# Altium PCB Control_v1.1.PcbDoc (part 1 of 2) (continued)
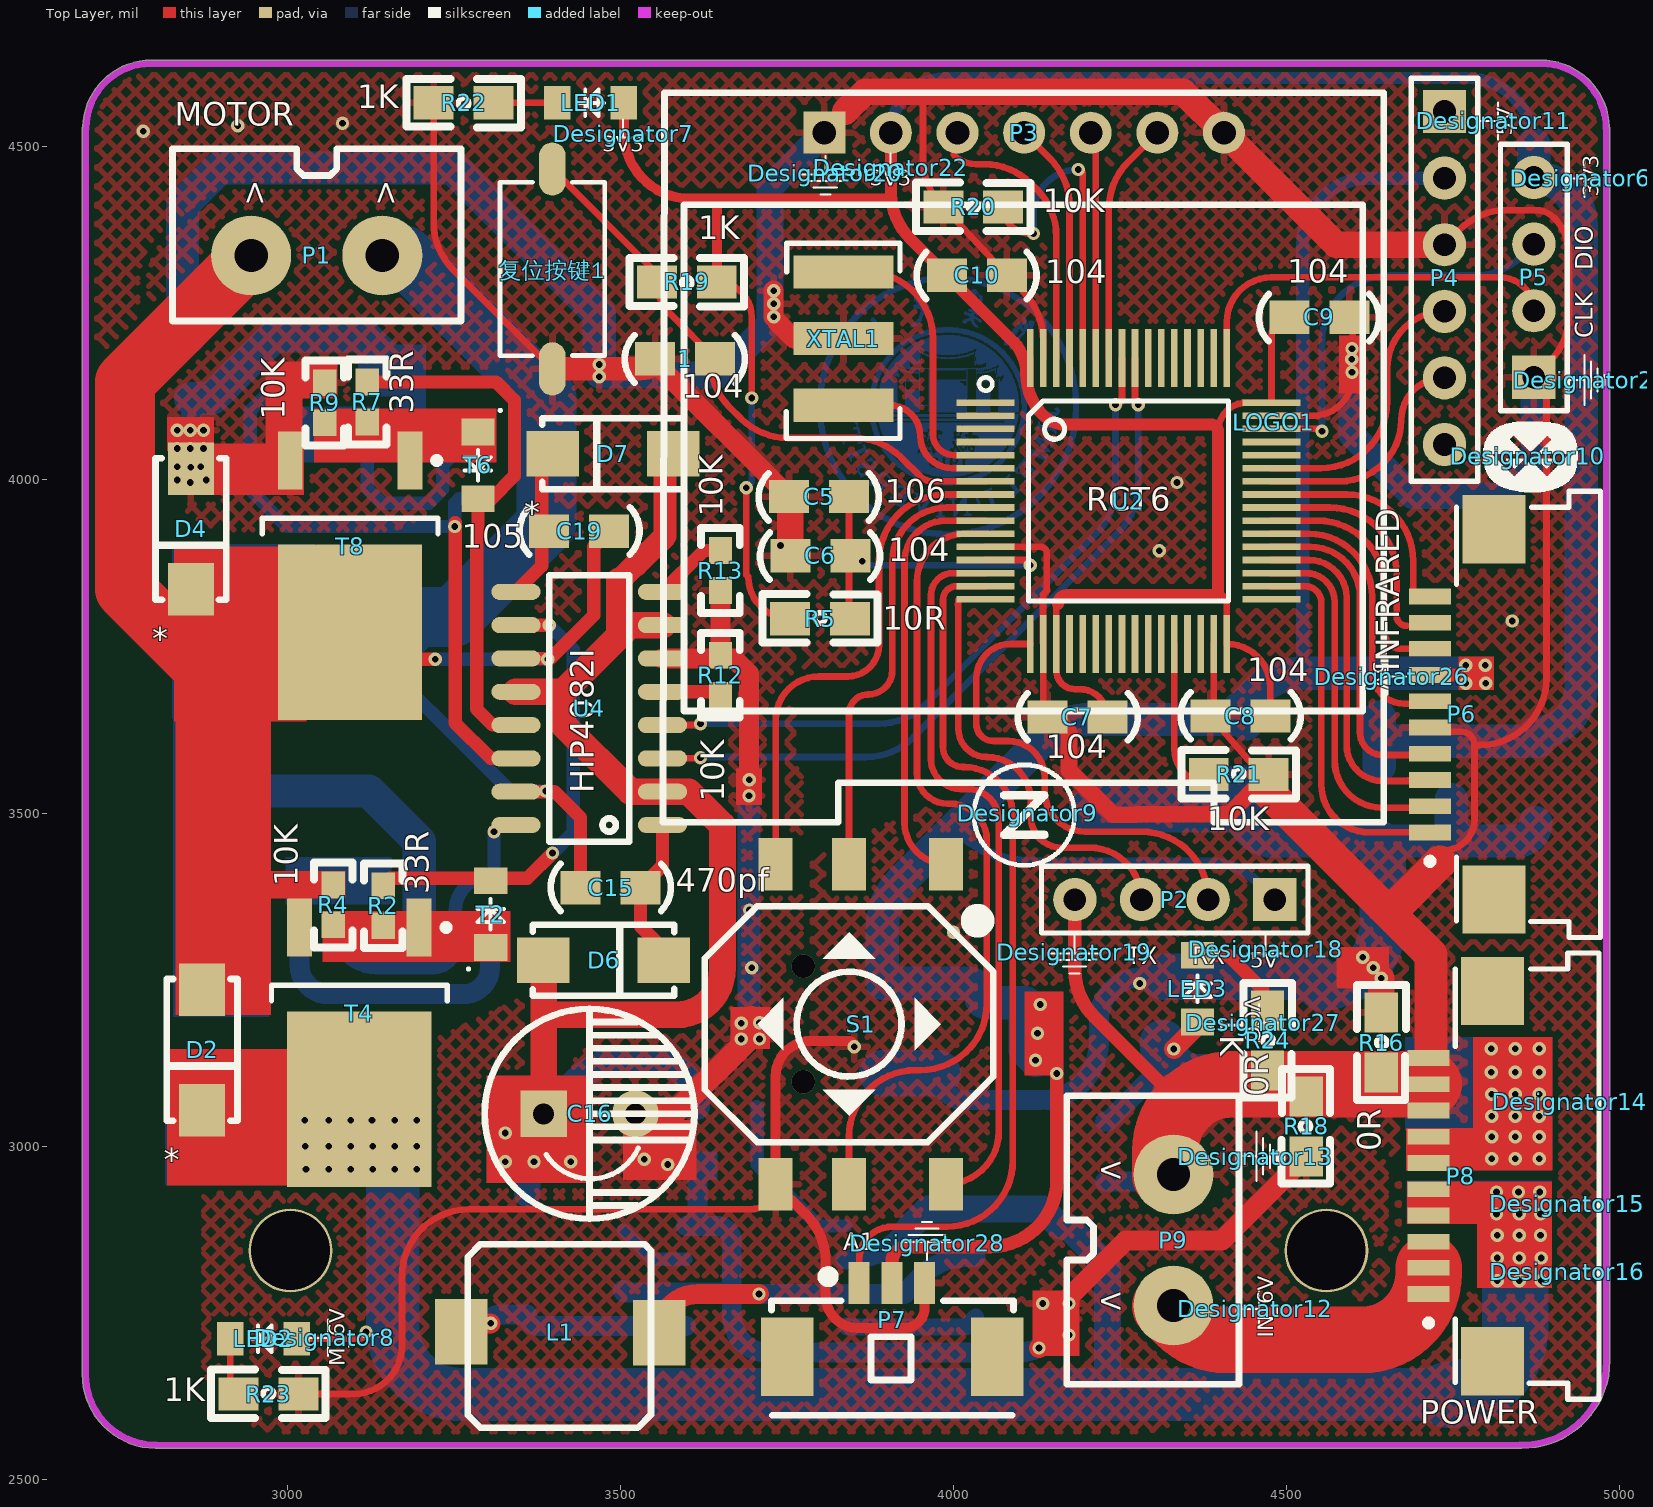
[diagram p0: Top Layer view]
## Footprints (in the part's own frame and the unit in brackets; to place one, negate y for a bottom-side part, rotate by r counter-clockwise, add the part's x,y. Pads: shape width x height; smd on the part's side, far side on the other; paste and mask are expansions set on the pad)
5轴按键 [mm]
  rect 2x1.3 smd: 1(-6.128,3.778) 2(-6.128,0.078) 3(-6.128,-2.722) 4(6.072,3.778) 5(6.072,0.078) 6(6.072,-2.722)
  silkscreen extent -4.53,-5.42 4.47,5.58
0603R [mil]
  rect 40x35 smd: 1(-2,-1) 2(58,-1)
  silkscreen extent -35,-30 92,28, body extent -5,-17 61,15, height 22
0805C [mil]
  rect 60x50 smd: 1(-5,0) 2(85,0)
  silkscreen extent -50,-35 131,36, body extent -16,-26 102,29, height 37
0805LED(BLUE) [mil]
  rect 40x50 smd: 1(-4.95,-2) 2(95.05,-2)
  silkscreen extent -39,-22 68,33, body extent 11,-20 78,16, height 35
0805R [mil]
  rect 60x50 smd: 1(-4.51,1.2) 2(85.49,1.2)
  silkscreen extent -46,-36 126,37, body extent -1,-23 78,26, height 18
12864-0.96寸 [mm]
  rect 1.6x1.6 hole 0.9: 1(4.061,0.59)
  round 1.6 hole 0.9: 2(6.601,0.59) 3(9.141,0.59) 4(11.681,0.59) 5(14.221,0.59) 6(16.761,0.59) 7(19.301,0.59)
  silkscreen extent -2.09,-25.7 25.39,2.11, body extent -2.03,-25.56 24.98,2.37, height 2.67
FPC-10 [mm]
  rect 2.6x2.4 smd: 0(-7.061,-0.813) 0(7.061,-0.813)
  rect 0.6x1.6 smd: 1(-4.5,1.625) 2(-3.5,1.625) 3(-2.5,1.625) 4(-1.5,1.625) 5(-0.5,1.625) 6(0.5,1.625) 7(1.5,1.625) 8(2.5,1.625) 9(3.5,1.625) 10(4.5,1.625)
  silkscreen extent -8.51,-4.88 8.51,1.75, body extent -8.5,-4.89 8.5,1.91, height 2.8
"Header 4" [mil]
  rect 65x65 hole 34: 1(0.95,-0.93)
  round 65 hole 34: 2(0.95,-100.93) 3(0.95,-200.93) 4(0.95,-300.93)
  silkscreen extent -49,-351 51,49, body extent -51,-354 49,46, height 336
"Header 6" [mil]
  rect 65x65 hole 34: 1(0.95,-0.93)
  round 65 hole 34: 2(0.95,-100.93) 3(0.95,-200.93) 4(0.95,-300.93) 5(0.95,-400.73) 6(0.95,-500.73)
  silkscreen extent -49,-556 51,49, body extent -48,-555 52,45, height 336
HIP4082I [mil]
  oval 74x24 smd: 1(-110,160) 2(-110,110) 3(-110,60) 4(-110,10) 5(-110,-40) 6(-110,-90) 7(-110,-140) 8(-110,-190) 9(110,-190) 10(110,-140) 11(110,-90) 12(110,-40) 13(110,10) 14(110,60) 15(110,110) 16(110,160)
  silkscreen extent -60,-215 60,185, body extent -115,-207 113,179, height 69
IRLR7843(MOS) [mm]
  rect 2.2x0.95 smd: 1(-5.543,1.772) 3(-5.543,-2.788)
  rect 6.7x5.5 smd: 2(1.007,-0.508)
  silkscreen extent -5.67,-3.86 -2.74,2.92, body extent -6.04,-3.78 3.9,2.76, height 2.39
LED(0805) [mil]
  rect 40x50 smd: 1(-50,0) 2(50,0)
  silkscreen extent -20,-20 20,20, body extent -37,-24 43,25, height 43
LOGO_Buletooth [mil]
  silkscreen extent -52,-66 54,75
LOGO_GND [mil]
  silkscreen extent -37,-32 38,26
LOGO_JMU [mil]
  round 400 on Bottom Solder: 0(-0.1,0.2)
  Top Layer region: 917 vertices and 1 holes, not listed, extent -195.89,-196.01 197.11,196.99
  Top Layer region: 557 vertices and 1 holes, not listed, extent -117.89,-118.01 119.11,118.99
  Top Layer region: 309 vertices and 19 holes, not listed, extent -105.89,-9.01 107.11,106.99
  Top Layer region: 261 vertices and 22 holes, not listed, extent -104.89,-106.01 106.11,-12.01
  Top Layer region: 251 vertices and 0 holes, not listed, extent 85.11,86.99 138.11,125.99
  Top Layer region: 219 vertices and 1 holes, not listed, extent -128.89,84.99 -81.89,133.99
  Top Layer region: 241 vertices and 4 holes, not listed, extent -50.89,118.99 -23.89,175.99
  Top Layer region: 155 vertices and 0 holes, not listed, extent 20.11,118.99 57.11,168.99
  Top Layer region: 195 vertices and 0 holes, not listed, extent -158.89,-84.01 -117.89,-41.01
  Top Layer region: 139 vertices and 1 holes, not listed, extent 81.11,-133.01 121.11,-99.01
  Top Layer region: -27.89,-135.01 -22.89,-135.01 -22.89,-136.01 -21.89,-136.01 -21.89,-138.01 -20.89,-138.01 -20.89,-140.01 -19.89,-140.01 -19.89,-141.01 -18.89,-141.01 -18.89,-143.01 -17.89,-143.01 -17.89,-144.01 -16.89,-144.01 -16.89,-146.01 -15.89,-146.01 -15.89,-148.01 -14.89,-148.01 -14.89,-149.01 -13.89,-149.01 -13.89,-151.01 -12.89,-151.01 -12.89,-153.01 -11.89,-153.01 -11.89,-154.01 -10.89,-154.01 -10.89,-156.01 -9.89,-156.01 -9.89,-148.01 -8.89,-148.01 -8.89,-139.01 -11.89,-139.01 -11.89,-137.01 -4.89,-137.01 -4.89,-138.01 -0.89,-138.01 -0.89,-139.01 -1.89,-139.01 -1.89,-140.01 -4.89,-140.01 -4.89,-142.01 -5.89,-142.01 -5.89,-148.01 -6.89,-148.01 -6.89,-156.01 -7.89,-156.01 -7.89,-164.01 -8.89,-164.01 -8.89,-166.01 -10.89,-166.01 -10.89,-164.01 -11.89,-164.01 -11.89,-163.01 -12.89,-163.01 -12.89,-161.01 -13.89,-161.01 -13.89,-160.01 -14.89,-160.01 -14.89,-158.01 -15.89,-158.01 -15.89,-156.01 -16.89,-156.01 -16.89,-155.01 -17.89,-155.01 -17.89,-153.01 -18.89,-153.01 -18.89,-152.01 -19.89,-152.01 -19.89,-150.01 -20.89,-150.01 -20.89,-148.01 -21.89,-148.01 -21.89,-146.01 -22.89,-146.01 -22.89,-145.01 -23.89,-145.01 -23.89,-143.01 -24.89,-143.01 -24.89,-147.01 -25.89,-147.01 -25.89,-155.01 -26.89,-155.01 -26.89,-162.01 -23.89,-162.01 -23.89,-164.01 -31.89,-164.01 -31.89,-163.01 -34.89,-163.01 -34.89,-162.01 -33.89,-162.01 -33.89,-161.01 -30.89,-161.01 -30.89,-160.01 -29.89,-160.01 -29.89,-155.01 -28.89,-155.01 -28.89,-147.01 -27.89,-147.01 -27.89,-140.01 -26.89,-140.01 -26.89,-139.01 -27.89,-139.01 -27.89,-137.01 -29.89,-137.01 -29.89,-136.01 -30.89,-136.01 -30.89,-134.01 -27.89,-134.01
  Top Layer region: 177 vertices and 0 holes, not listed, extent 53.11,-153.01 88.11,-117.01
  Top Layer region: 215 vertices and 0 holes, not listed, extent -135.89,-115.01 -98.89,-78.01
  Top Layer region: -63.89,-123.01 -61.89,-123.01 -61.89,-124.01 -58.89,-124.01 -58.89,-125.01 -56.89,-125.01 -56.89,-126.01 -53.89,-126.01 -53.89,-127.01 -52.89,-127.01 -52.89,-129.01 -54.89,-129.01 -54.89,-128.01 -56.89,-128.01 -56.89,-129.01 -57.89,-129.01 -57.89,-131.01 -58.89,-131.01 -58.89,-134.01 -59.89,-134.01 -59.89,-137.01 -60.89,-137.01 -60.89,-139.01 -61.89,-139.01 -61.89,-142.01 -62.89,-142.01 -62.89,-145.01 -63.89,-145.01 -63.89,-150.01 -62.89,-150.01 -62.89,-151.01 -61.89,-151.01 -61.89,-152.01 -60.89,-152.01 -60.89,-153.01 -58.89,-153.01 -58.89,-154.01 -52.89,-154.01 -52.89,-153.01 -51.89,-153.01 -51.89,-152.01 -50.89,-152.01 -50.89,-151.01 -49.89,-151.01 -49.89,-150.01 -48.89,-150.01 -48.89,-148.01 -47.89,-148.01 -47.89,-145.01 -46.89,-145.01 -46.89,-142.01 -45.89,-142.01 -45.89,-140.01 -44.89,-140.01 -44.89,-137.01 -43.89,-137.01 -43.89,-133.01 -44.89,-133.01 -44.89,-132.01 -45.89,-132.01 -45.89,-130.01 -43.89,-130.01 -43.89,-131.01 -40.89,-131.01 -40.89,-132.01 -38.89,-132.01 -38.89,-133.01 -35.89,-133.01 -35.89,-135.01 -39.89,-135.01 -39.89,-136.01 -40.89,-136.01 -40.89,-138.01 -41.89,-138.01 -41.89,-140.01 -42.89,-140.01 -42.89,-143.01 -43.89,-143.01 -43.89,-146.01 -44.89,-146.01 -44.89,-148.01 -45.89,-148.01 -45.89,-150.01 -46.89,-150.01 -46.89,-152.01 -47.89,-152.01 -47.89,-154.01 -49.89,-154.01 -49.89,-155.01 -50.89,-155.01 -50.89,-156.01 -52.89,-156.01 -52.89,-157.01 -58.89,-157.01 -58.89,-156.01 -61.89,-156.01 -61.89,-155.01 -63.89,-155.01 -63.89,-154.01 -65.89,-154.01 -65.89,-153.01 -66.89,-153.01 -66.89,-152.01 -67.89,-152.01 -67.89,-150.01 -68.89,-150.01 -68.89,-143.01 -67.89,-143.01 -67.89,-140.01 -66.89,-140.01 -66.89,-137.01 -65.89,-137.01 -65.89,-135.01 -64.89,-135.01 -64.89,-132.01 -63.89,-132.01 -63.89,-129.01 -62.89,-129.01 -62.89,-125.01 -64.89,-125.01 -64.89,-122.01 -63.89,-122.01
  Top Layer region: 140.11,0.99 141.11,0.99 141.11,-2.01 142.11,-2.01 142.11,-3.01 144.11,-3.01 144.11,-4.01 145.11,-4.01 145.11,-5.01 146.11,-5.01 146.11,-6.01 147.11,-6.01 147.11,-7.01 149.11,-7.01 149.11,-8.01 150.11,-8.01 150.11,-9.01 151.11,-9.01 151.11,-10.01 152.11,-10.01 152.11,-11.01 154.11,-11.01 154.11,-12.01 162.11,-12.01 162.11,-13.01 164.11,-13.01 164.11,-12.01 165.11,-12.01 165.11,-9.01 167.11,-9.01 167.11,-14.01 166.11,-14.01 166.11,-22.01 164.11,-22.01 164.11,-19.01 163.11,-19.01 163.11,-18.01 158.11,-18.01 158.11,-17.01 153.11,-17.01 153.11,-18.01 151.11,-18.01 151.11,-19.01 149.11,-19.01 149.11,-20.01 147.11,-20.01 147.11,-21.01 145.11,-21.01 145.11,-22.01 144.11,-22.01 144.11,-23.01 142.11,-23.01 142.11,-24.01 140.11,-24.01 140.11,-25.01 139.11,-25.01 139.11,-26.01 138.11,-26.01 138.11,-28.01 136.11,-28.01 136.11,-20.01 137.11,-20.01 137.11,-15.01 139.11,-15.01 139.11,-18.01 141.11,-18.01 141.11,-17.01 143.11,-17.01 143.11,-16.01 145.11,-16.01 145.11,-15.01 147.11,-15.01 147.11,-14.01 149.11,-14.01 149.11,-13.01 150.11,-13.01 150.11,-12.01 149.11,-12.01 149.11,-11.01 148.11,-11.01 148.11,-10.01 146.11,-10.01 146.11,-9.01 145.11,-9.01 145.11,-8.01 144.11,-8.01 144.11,-7.01 142.11,-7.01 142.11,-6.01 140.11,-6.01 140.11,-8.01 138.11,-8.01 138.11,-2.01 139.11,-2.01 139.11,1.99 140.11,1.99
  Top Layer region: 116.11,-78.01 118.11,-78.01 118.11,-79.01 120.11,-79.01 120.11,-80.01 122.11,-80.01 122.11,-82.01 114.11,-82.01 114.11,-83.01 113.11,-83.01 113.11,-84.01 112.11,-84.01 112.11,-85.01 111.11,-85.01 111.11,-88.01 112.11,-88.01 112.11,-89.01 113.11,-89.01 113.11,-90.01 118.11,-90.01 118.11,-89.01 120.11,-89.01 120.11,-88.01 122.11,-88.01 122.11,-87.01 125.11,-87.01 125.11,-86.01 133.11,-86.01 133.11,-87.01 134.11,-87.01 134.11,-88.01 135.11,-88.01 135.11,-89.01 136.11,-89.01 136.11,-90.01 137.11,-90.01 137.11,-98.01 136.11,-98.01 136.11,-99.01 135.11,-99.01 135.11,-101.01 134.11,-101.01 134.11,-102.01 133.11,-102.01 133.11,-103.01 131.11,-103.01 131.11,-106.01 129.11,-106.01 129.11,-105.01 127.11,-105.01 127.11,-104.01 125.11,-104.01 125.11,-103.01 122.11,-103.01 122.11,-101.01 130.11,-101.01 130.11,-100.01 132.11,-100.01 132.11,-99.01 133.11,-99.01 133.11,-98.01 134.11,-98.01 134.11,-94.01 133.11,-94.01 133.11,-92.01 130.11,-92.01 130.11,-91.01 128.11,-91.01 128.11,-92.01 125.11,-92.01 125.11,-93.01 123.11,-93.01 123.11,-94.01 121.11,-94.01 121.11,-95.01 117.11,-95.01 117.11,-96.01 115.11,-96.01 115.11,-95.01 112.11,-95.01 112.11,-94.01 111.11,-94.01 111.11,-93.01 110.11,-93.01 110.11,-92.01 109.11,-92.01 109.11,-90.01 108.11,-90.01 108.11,-86.01 109.11,-86.01 109.11,-84.01 110.11,-84.01 110.11,-82.01 111.11,-82.01 111.11,-81.01 112.11,-81.01 112.11,-80.01 114.11,-80.01 114.11,-77.01 116.11,-77.01
  Top Layer region: 50.11,-131.01 49.11,-131.01 49.11,-132.01 48.11,-132.01 48.11,-136.01 47.11,-136.01 47.11,-142.01 46.11,-142.01 46.11,-148.01 45.11,-148.01 45.11,-153.01 44.11,-153.01 44.11,-154.01 45.11,-154.01 45.11,-155.01 44.11,-155.01 44.11,-160.01 43.11,-160.01 43.11,-162.01 42.11,-162.01 42.11,-161.01 41.11,-161.01 41.11,-160.01 40.11,-160.01 40.11,-159.01 39.11,-159.01 39.11,-158.01 38.11,-158.01 38.11,-156.01 37.11,-156.01 37.11,-155.01 36.11,-155.01 36.11,-154.01 35.11,-154.01 35.11,-152.01 34.11,-152.01 34.11,-151.01 33.11,-151.01 33.11,-150.01 32.11,-150.01 32.11,-148.01 31.11,-148.01 31.11,-147.01 30.11,-147.01 30.11,-145.01 29.11,-145.01 29.11,-144.01 28.11,-144.01 28.11,-143.01 27.11,-143.01 27.11,-141.01 26.11,-141.01 26.11,-140.01 25.11,-140.01 25.11,-139.01 24.11,-139.01 24.11,-138.01 21.11,-138.01 21.11,-136.01 24.11,-136.01 24.11,-135.01 28.11,-135.01 28.11,-134.01 32.11,-134.01 32.11,-133.01 33.11,-133.01 33.11,-136.01 30.11,-136.01 30.11,-137.01 31.11,-137.01 31.11,-139.01 32.11,-139.01 32.11,-141.01 33.11,-141.01 33.11,-142.01 34.11,-142.01 34.11,-143.01 35.11,-143.01 35.11,-145.01 36.11,-145.01 36.11,-146.01 37.11,-146.01 37.11,-147.01 38.11,-147.01 38.11,-149.01 39.11,-149.01 39.11,-150.01 40.11,-150.01 40.11,-151.01 41.11,-151.01 41.11,-152.01 42.11,-152.01 42.11,-147.01 43.11,-147.01 43.11,-142.01 44.11,-142.01 44.11,-135.01 45.11,-135.01 45.11,-133.01 41.11,-133.01 41.11,-131.01 44.11,-131.01 44.11,-130.01 49.11,-130.01 49.11,-129.01 50.11,-129.01
  Top Layer region: 138.11,-31.01 141.11,-31.01 141.11,-32.01 143.11,-32.01 143.11,-34.01 137.11,-34.01 137.11,-36.01 136.11,-36.01 136.11,-38.01 135.11,-38.01 135.11,-40.01 136.11,-40.01 136.11,-41.01 139.11,-41.01 139.11,-42.01 142.11,-42.01 142.11,-43.01 146.11,-43.01 146.11,-44.01 149.11,-44.01 149.11,-45.01 152.11,-45.01 152.11,-46.01 155.11,-46.01 155.11,-47.01 158.11,-47.01 158.11,-46.01 159.11,-46.01 159.11,-44.01 161.11,-44.01 161.11,-47.01 160.11,-47.01 160.11,-50.01 159.11,-50.01 159.11,-54.01 158.11,-54.01 158.11,-57.01 156.11,-57.01 156.11,-53.01 155.11,-53.01 155.11,-52.01 153.11,-52.01 153.11,-51.01 150.11,-51.01 150.11,-50.01 147.11,-50.01 147.11,-49.01 144.11,-49.01 144.11,-48.01 140.11,-48.01 140.11,-47.01 137.11,-47.01 137.11,-46.01 134.11,-46.01 134.11,-45.01 133.11,-45.01 133.11,-48.01 132.11,-48.01 132.11,-52.01 133.11,-52.01 133.11,-54.01 135.11,-54.01 135.11,-55.01 136.11,-55.01 136.11,-56.01 132.11,-56.01 132.11,-55.01 129.11,-55.01 129.11,-54.01 128.11,-54.01 128.11,-52.01 129.11,-52.01 129.11,-48.01 130.11,-48.01 130.11,-45.01 131.11,-45.01 131.11,-42.01 132.11,-42.01 132.11,-39.01 133.11,-39.01 133.11,-36.01 134.11,-36.01 134.11,-32.01 135.11,-32.01 135.11,-30.01 138.11,-30.01
  Top Layer region: -160.89,-3.01 -159.89,-3.01 -159.89,-5.01 -160.89,-5.01 -160.89,-6.01 -161.89,-6.01 -161.89,-7.01 -163.89,-7.01 -163.89,-9.01 -152.89,-9.01 -152.89,-8.01 -140.89,-8.01 -140.89,-7.01 -138.89,-7.01 -138.89,-3.01 -136.89,-3.01 -136.89,-10.01 -135.89,-10.01 -135.89,-16.01 -136.89,-16.01 -136.89,-17.01 -137.89,-17.01 -137.89,-14.01 -138.89,-14.01 -138.89,-13.01 -148.89,-13.01 -148.89,-14.01 -162.89,-14.01 -162.89,-13.01 -163.89,-13.01 -163.89,-12.01 -164.89,-12.01 -164.89,-11.01 -165.89,-11.01 -165.89,-9.01 -166.89,-9.01 -166.89,-5.01 -165.89,-5.01 -165.89,-3.01 -164.89,-3.01 -164.89,-2.01 -160.89,-2.01
  Top Layer region: 127.11,-58.01 128.11,-58.01 128.11,-59.01 127.11,-59.01 127.11,-62.01 128.11,-62.01 128.11,-63.01 130.11,-63.01 130.11,-64.01 132.11,-64.01 132.11,-65.01 134.11,-65.01 134.11,-66.01 136.11,-66.01 136.11,-67.01 138.11,-67.01 138.11,-68.01 140.11,-68.01 140.11,-69.01 142.11,-69.01 142.11,-70.01 144.11,-70.01 144.11,-71.01 146.11,-71.01 146.11,-72.01 149.11,-72.01 149.11,-71.01 150.11,-71.01 150.11,-70.01 152.11,-70.01 152.11,-71.01 151.11,-71.01 151.11,-73.01 150.11,-73.01 150.11,-76.01 149.11,-76.01 149.11,-78.01 148.11,-78.01 148.11,-80.01 147.11,-80.01 147.11,-82.01 145.11,-82.01 145.11,-77.01 144.11,-77.01 144.11,-76.01 142.11,-76.01 142.11,-75.01 139.11,-75.01 139.11,-74.01 138.11,-74.01 138.11,-73.01 136.11,-73.01 136.11,-72.01 134.11,-72.01 134.11,-71.01 132.11,-71.01 132.11,-70.01 130.11,-70.01 130.11,-69.01 128.11,-69.01 128.11,-68.01 126.11,-68.01 126.11,-67.01 124.11,-67.01 124.11,-68.01 123.11,-68.01 123.11,-69.01 122.11,-69.01 122.11,-70.01 121.11,-70.01 121.11,-69.01 120.11,-69.01 120.11,-68.01 121.11,-68.01 121.11,-66.01 122.11,-66.01 122.11,-64.01 123.11,-64.01 123.11,-62.01 124.11,-62.01 124.11,-60.01 125.11,-60.01 125.11,-58.01 126.11,-58.01 126.11,-57.01 127.11,-57.01
  Top Layer region: -134.89,-27.01 -133.89,-27.01 -133.89,-32.01 -132.89,-32.01 -132.89,-36.01 -134.89,-36.01 -134.89,-34.01 -135.89,-34.01 -135.89,-33.01 -140.89,-33.01 -140.89,-34.01 -145.89,-34.01 -145.89,-35.01 -150.89,-35.01 -150.89,-36.01 -155.89,-36.01 -155.89,-37.01 -158.89,-37.01 -158.89,-38.01 -159.89,-38.01 -159.89,-42.01 -160.89,-42.01 -160.89,-41.01 -161.89,-41.01 -161.89,-36.01 -162.89,-36.01 -162.89,-31.01 -163.89,-31.01 -163.89,-29.01 -162.89,-29.01 -162.89,-28.01 -161.89,-28.01 -161.89,-30.01 -160.89,-30.01 -160.89,-31.01 -159.89,-31.01 -159.89,-32.01 -158.89,-32.01 -158.89,-31.01 -152.89,-31.01 -152.89,-30.01 -148.89,-30.01 -148.89,-29.01 -142.89,-29.01 -142.89,-28.01 -138.89,-28.01 -138.89,-27.01 -136.89,-27.01 -136.89,-23.01 -134.89,-23.01
  Top Layer region: -90.89,-103.01 -89.89,-103.01 -89.89,-104.01 -88.89,-104.01 -88.89,-105.01 -87.89,-105.01 -87.89,-106.01 -86.89,-106.01 -86.89,-107.01 -84.89,-107.01 -84.89,-108.01 -83.89,-108.01 -83.89,-109.01 -82.89,-109.01 -82.89,-110.01 -81.89,-110.01 -81.89,-112.01 -83.89,-112.01 -83.89,-111.01 -86.89,-111.01 -86.89,-112.01 -87.89,-112.01 -87.89,-113.01 -88.89,-113.01 -88.89,-114.01 -89.89,-114.01 -89.89,-115.01 -90.89,-115.01 -90.89,-117.01 -91.89,-117.01 -91.89,-118.01 -92.89,-118.01 -92.89,-119.01 -93.89,-119.01 -93.89,-120.01 -94.89,-120.01 -94.89,-121.01 -95.89,-121.01 -95.89,-123.01 -96.89,-123.01 -96.89,-124.01 -97.89,-124.01 -97.89,-125.01 -98.89,-125.01 -98.89,-126.01 -99.89,-126.01 -99.89,-128.01 -100.89,-128.01 -100.89,-130.01 -99.89,-130.01 -99.89,-131.01 -98.89,-131.01 -98.89,-132.01 -99.89,-132.01 -99.89,-133.01 -100.89,-133.01 -100.89,-132.01 -101.89,-132.01 -101.89,-131.01 -102.89,-131.01 -102.89,-130.01 -103.89,-130.01 -103.89,-129.01 -105.89,-129.01 -105.89,-128.01 -106.89,-128.01 -106.89,-127.01 -107.89,-127.01 -107.89,-126.01 -108.89,-126.01 -108.89,-125.01 -109.89,-125.01 -109.89,-124.01 -106.89,-124.01 -106.89,-125.01 -104.89,-125.01 -104.89,-124.01 -103.89,-124.01 -103.89,-123.01 -102.89,-123.01 -102.89,-122.01 -101.89,-122.01 -101.89,-120.01 -100.89,-120.01 -100.89,-119.01 -99.89,-119.01 -99.89,-118.01 -98.89,-118.01 -98.89,-117.01 -97.89,-117.01 -97.89,-115.01 -96.89,-115.01 -96.89,-114.01 -95.89,-114.01 -95.89,-113.01 -94.89,-113.01 -94.89,-112.01 -93.89,-112.01 -93.89,-111.01 -92.89,-111.01 -92.89,-109.01 -91.89,-109.01 -91.89,-108.01 -90.89,-108.01 -90.89,-105.01 -91.89,-105.01 -91.89,-104.01 -92.89,-104.01 -92.89,-103.01 -91.89,-103.01 -91.89,-102.01 -90.89,-102.01
  Top Layer region: 17.11,-139.01 14.11,-139.01 14.11,-140.01 13.11,-140.01 13.11,-148.01 14.11,-148.01 14.11,-162.01 15.11,-162.01 15.11,-164.01 19.11,-164.01 19.11,-165.01 18.11,-165.01 18.11,-166.01 5.11,-166.01 5.11,-165.01 6.11,-165.01 6.11,-164.01 9.11,-164.01 9.11,-154.01 8.11,-154.01 8.11,-140.01 6.11,-140.01 6.11,-139.01 4.11,-139.01 4.11,-137.01 17.11,-137.01
  Top Layer region: 115.11,130.99 116.11,130.99 116.11,128.99 115.11,128.99 115.11,127.99 114.11,127.99 114.11,126.99 113.11,126.99 113.11,124.99 112.11,124.99 112.11,123.99 111.11,123.99 111.11,122.99 109.11,122.99 109.11,121.99 107.11,121.99 107.11,122.99 106.11,122.99 106.11,125.99 107.11,125.99 107.11,127.99 108.11,127.99 108.11,128.99 109.11,128.99 109.11,129.99 110.11,129.99 110.11,130.99 111.11,130.99 111.11,132.99 115.11,132.99
  Top Layer region: -30.89,131.99 -27.89,131.99 -27.89,130.99 -24.89,130.99 -24.89,129.99 -22.89,129.99 -22.89,128.99 -21.89,128.99 -21.89,125.99 -22.89,125.99 -22.89,124.99 -26.89,124.99 -26.89,125.99 -27.89,125.99 -27.89,127.99 -29.89,127.99 -29.89,128.99 -31.89,128.99 -31.89,129.99 -32.89,129.99 -32.89,131.99 -31.89,131.99 -31.89,132.99 -30.89,132.99
  Top Layer region: -79.89,103.99 -78.89,103.99 -78.89,102.99 -79.89,102.99 -79.89,100.99 -80.89,100.99 -80.89,99.99 -82.89,99.99 -82.89,98.99 -83.89,98.99 -83.89,97.99 -85.89,97.99 -85.89,98.99 -84.89,98.99 -84.89,100.99 -85.89,100.99 -85.89,99.99 -87.89,99.99 -87.89,101.99 -86.89,101.99 -86.89,102.99 -85.89,102.99 -85.89,103.99 -84.89,103.99 -84.89,104.99 -82.89,104.99 -82.89,105.99 -79.89,105.99
  Top Layer region: -93.89,91.99 -91.89,91.99 -91.89,86.99 -92.89,86.99 -92.89,85.99 -94.89,85.99 -94.89,86.99 -95.89,86.99 -95.89,87.99 -96.89,87.99 -96.89,92.99 -93.89,92.99
  Top Layer region: -19.89,-61.01 -20.89,-61.01 -20.89,-62.01 -21.89,-62.01 -21.89,-63.01 -23.89,-63.01 -23.89,-62.01 -24.89,-62.01 -24.89,-60.01 -21.89,-60.01 -21.89,-59.01 -19.89,-59.01
  Top Layer region: -22.89,-51.01 -21.89,-51.01 -21.89,-52.01 -20.89,-52.01 -20.89,-53.01 -21.89,-53.01 -21.89,-54.01 -22.89,-54.01 -22.89,-55.01 -23.89,-55.01 -23.89,-50.01 -22.89,-50.01
  Top Layer region: -32.89,-64.01 -33.89,-64.01 -33.89,-65.01 -36.89,-65.01 -36.89,-63.01 -34.89,-63.01 -34.89,-62.01 -32.89,-62.01
  Top Layer region: 37.11,-45.01 36.11,-45.01 36.11,-46.01 34.11,-46.01 34.11,-43.01 37.11,-43.01
  Top Layer region: 18.11,-51.01 17.11,-51.01 17.11,-50.01 18.11,-50.01
LOGO_Vcc [mil]
  silkscreen extent -28,-6 27,22
LOGO_Zigbee [mil]
  silkscreen extent -82,-80 74,75
LQFP-64 [mil]
  rect 86.61x10 smd: 1(-202,162) 2(-202,142.31) 3(-202,122.63) 4(-202,102.94) 5(-202,83.26) 6(-202,63.58) 7(-202,43.89) 8(-202,24.21) 9(-202,4.52) 10(-202,-15.17) 11(-202,-34.85) 12(-202,-54.54) 13(-202,-74.22) 14(-202,-93.91) 15(-202,-113.59) 16(-202,-133.27) 33(227.13,-133.27) 34(227.13,-113.59) 35(227.13,-93.9) 36(227.13,-74.22) 37(227.13,-54.54) 38(227.13,-34.85) 39(227.13,-15.17) 40(227.13,4.52) 41(227.13,24.21) 42(227.13,43.89) 43(227.13,63.58) 44(227.13,83.26) 45(227.13,102.95) 46(227.13,122.63) 47(227.13,142.31) 48(227.13,162)
  rect 10x86.61 smd: 17(-135.07,-200.2) 18(-115.39,-200.2) 19(-95.7,-200.21) 20(-76.02,-200.2) 21(-56.33,-200.2) 22(-36.65,-200.2) 23(-16.96,-200.21) 24(2.72,-200.2) 25(22.41,-200.2) 26(42.09,-200.21) 27(61.78,-200.2) 28(81.46,-200.2) 29(101.15,-200.21) 30(120.83,-200.2) 31(140.52,-200.2) 32(160.2,-200.2) 49(160.2,228.93) 50(140.52,228.93) 51(120.83,228.93) 52(101.15,228.93) 53(81.46,228.93) 54(61.78,228.93) 55(42.09,228.93) 56(22.41,228.93) 57(2.72,228.93) 58(-16.96,228.93) 59(-36.65,228.93) 60(-56.33,228.93) 61(-76.02,228.93) 62(-95.7,228.93) 63(-115.39,228.93) 64(-135.07,228.93)
  silkscreen extent -212,-136 163,200, body extent -226,-225 252,253, height 64
MA34063 [mil] "12V升压"
  oval 80x24 smd: 1(-125,70) 2(-125,20) 3(-125,-30) 4(-125,-80) 5(115,-80) 6(115,-30) 7(115,20) 8(115,70)
  silkscreen extent -80,-100 70,90, body extent -123,-101 113,92, height 61
"MX 1.25-WS-3P" [mm] "长：8.9mm，宽：4.2mm，高：3.4mm"
  rect 2x3 smd: 0(-4.007,0) 0(4.007,0)
  rect 0.8x1.6 smd: 1(-1.264,2.811) 2(-0.014,2.811) 3(1.236,2.811)
  silkscreen extent -4.61,-2.23 4.62,3.25, body extent -4.45,-2.1 4.45,3.09, height 3.4
"pol cap(10uF)" [mil]
  rect 75x90 smd: 1(187.5,-70) 2(52.5,-70)
  silkscreen extent -1,-129 252,-11, body extent 51,-125 189,-15, height 75
RB.8 [mil]
  rect 70x70 / inner round 70 / far side round 70 hole 31.5: 1(0.6,0.53)
  round 70 hole 31.5: 2(138.39,0.53)
  silkscreen extent -88,-157 227,158, body extent -89,-158 228,159, height 466
SOIC-8 [mm]
  oval 1.75x0.6 smd: 1(-2.65,1.905) 2(-2.65,0.635) 3(-2.65,-0.635) 4(-2.65,-1.905) 5(2.65,-1.905) 6(2.65,-0.635) 7(2.65,0.635) 8(2.65,1.905)
  silkscreen extent -1.32,-2.5 1.3,2.49, body extent -3,-2.47 2.99,2.43, height 1.55
三脚贴片8M晶振 [mm] "CSTCC8M00G53-RO"
  rect 3.8x1.27 smd: 1(0.06,-0.006) 2(0.06,-5.086) 3(0.06,-2.546)
  silkscreen extent -2.1,-6.18 2.24,1.26, body extent -1.72,-6.23 1.84,1.26, height 1.5
二极管 [mm] "SS-14/M7"
  rect 2x1.75 smd: 1(-2.413,0) 2(2.187,0)
  silkscreen extent -2.81,-1.35 2.59,1.35, body extent -2.61,-1.34 2.49,1.33, height 2.12
接线端子 [mil]
  round 120 hole 50: 1(121.57,-105) 2(318.43,-105)
  silkscreen extent 3,-265 437,-7
电协LOGO [mil]
电感（220uh） [mm]
  rect 2x2.5 smd: 1(-3.81,-0.127) 2(3.734,-0.152)
  silkscreen extent -3.5,-3.5 3.48,3.5
贴片按键 [mil]
  oval 80x40 smd: 1(-5.71,2.8) 2(294.29,2.8)
  silkscreen extent 14,-76 274,82, body extent 24,-69 264,77, height 98

## Part data
1 C5 C6 C7 C8 C9 C10: library part C1
C1 C2 C11 C12: library part "pol cap", "通用有极电容"
C3 C4 C13 C14: library part Cap, "无极电容"
C15 C17 C19: library part "Cap Semi", "Capacitor (Semiconductor SIM Model)"
C16: "Polarized Capacitor (Radial)"
C18: library part "Cap Pol1", "Polarized Capacitor (Radial)"
C20: library part Cap1, "无极贴片电容"
D1 D2 D3 D4 D5 D6 D7: library part 二极管
L1: library part Inductor
LED1 LED2 LED3: library part LED, "发光二极管"
P1 P9: library part "Header 2", "Header, 2-Pin"
P2 P5: library part "Header 4"
P3: library part "Header 7", "排针"
P4: "排针"
P6 P8: "软排线底座"
P7: library part 接线端子-3PIN, "3PIN"
R1 R2 R3 R4 R6 R7 R8 R9 R10 R11 R12 R13 R14 R15: library part Res, "通用电阻"
R5 R16 R17 R18 R19 R20 R21 R22 R23 R24: library part Res, "电阻"
S1: library part 5轴按键, "5轴按键"
T1 T2 T5 T6: "发光二极管"
T3 T4 T7 T8: library part N_MOS(IRLR7843)
U1: "稳压元件（5V）"
U2: library part STM32F103RCT6, "STM32单片机64引脚"
U3: "稳压元件（3.3V）"
XTAL1: library part XTAL三脚贴片晶振
复位按键1: library part Key(两脚贴片)

## Free pads (board coordinates)
  round 125.98 hole 118.11: 2(3004.5,2843.17) 2(4559.61,2843.17)

## Via types
v1: diameter 20, hole 10, Top Layer to Bottom Layer, 133 vias
v2: diameter 35.43, hole 35.43, Top Layer to Bottom Layer, 2 vias

## Nets (pads, with @x,y where several pads share a name; then routed paths per layer and width w, separated by ;. In a path a pad name is that pad's centre, name@x,y a point inside that pad or via, vN(x,y) a via of type N, cw(c..) or ccw(c..) an arc to the next point about the centre after c; other vN are vias at no path point)
3V3: C7.2 C8.2 C9.2 C10.2 C12.1 C14.2 LED1.1 P3.2 P5.4 R5.2 R19.2 U2.19 U2.32 U2.48 U2.64 U3.5 U3.6 U3.7 | length 5606
  Top Layer w10: R19.2@3644.49,4297.2 cw(c3644.49,4244.69) 3697,4244.69 v1(3697,4123) ; v1(3688.97,3988.18) 3688.97,3857.34 3692,3854.31 ccw(c3754.51,3854.31) R5.2@3754.51,3791.8 ; U2.64@4114.93,4182.93 4114.93,4140.07 ccw(c4172,4140.07) 4119.84,4116.9 ccw(c4172,4140.07) 4135.04,4096.58 ; 4154.3,3814.1 U2.19@4154.3,3753.79 4154.3,3713.7 ccw(c4182,3713.7) 4182,3686 4189,3686 cw(c4189,3644) C7.2@4231,3644 ; 4395.91,3829.09 cw(c4395.91,3815) 4410,3815 U2.32@4410,3753.8 ; 4397,4073 cw(c4440,4073) 4440,4116 U2.48@4477.13,4116 4477.13,4217.13 cw(c4504,4217.13) C9.2@4504,4244 ; U2.32@4410.2,3753.8 cw(c4410.2,3688.48) 4475.52,3688.48 C8.2@4475.52,3645.52
  Top Layer w15: LED1.1@3505,4566 3505,4522.15 ccw(c3605,4522.15) 3605,4422.15 3744.49,4422.15 3906.44,4422.15 ; R19.2@3644.49,4297.2 3644.49,4422.15
  Top Layer w18: P3.2@3905.88,4521.23 3905.88,4432.74 ccw(c4005.88,4432.74) 3906.44,4422.15 ccw(c4005.88,4432.74) 3935.17,4362.03 C10.2@3990,4307.2 4089.06,4208.15 cw(c4040.91,4160) 4109,4160 4109,4159.46 ccw(c4197.92,4159.46) 4119.84,4116.9 ccw(c4197.92,4159.46) 4135.04,4096.58 ccw(c4167.83,4129.37) 4167.83,4083 4387,4083 cw(c4387,4073) 4397,4073 4397,3836 cw(c4388,3836) 4388,3827 4169.9,3827 ccw(c4169.9,3814.1) 4157,3814.1
  Bottom Layer w10: v1(3688.97,3988.18) 3688.97,3990.97 3692,3994 ccw(c3692,3999) 3697,3999 v1(3697,4123)
  Bottom Layer w18: P3.2@3905.88,4521.23 cw(c3987.65,4521.23) 3987.65,4603 4771.05,4603 cw(c4771.05,4503) 4871.05,4503
  Bottom Layer w50: 4639.14,3570 U3.6@4639.14,3607.94 ; 4639.14,3644 U3.6@4639.14,3607.94 ; C14.2@4747,3610 cw(c4744.94,3610) C14.2@4744.94,3607.94 ; 4871.05,4503 P5.4@4871.05,4453.93 cw(c4871.05,4382.98) 4942,4382.98 4942,3688.5 cw(c4874,3688.5) C12.1@4874,3620.5 ; C12.1@4878,3607.94 C14.2@4744.94,3607.94 ; U3.6@4639.14,3607.94 C14.2@4744.94,3607.94